# Altium PCB llrf_fmc_extension.PcbDoc (part 1 of 2) (continued)
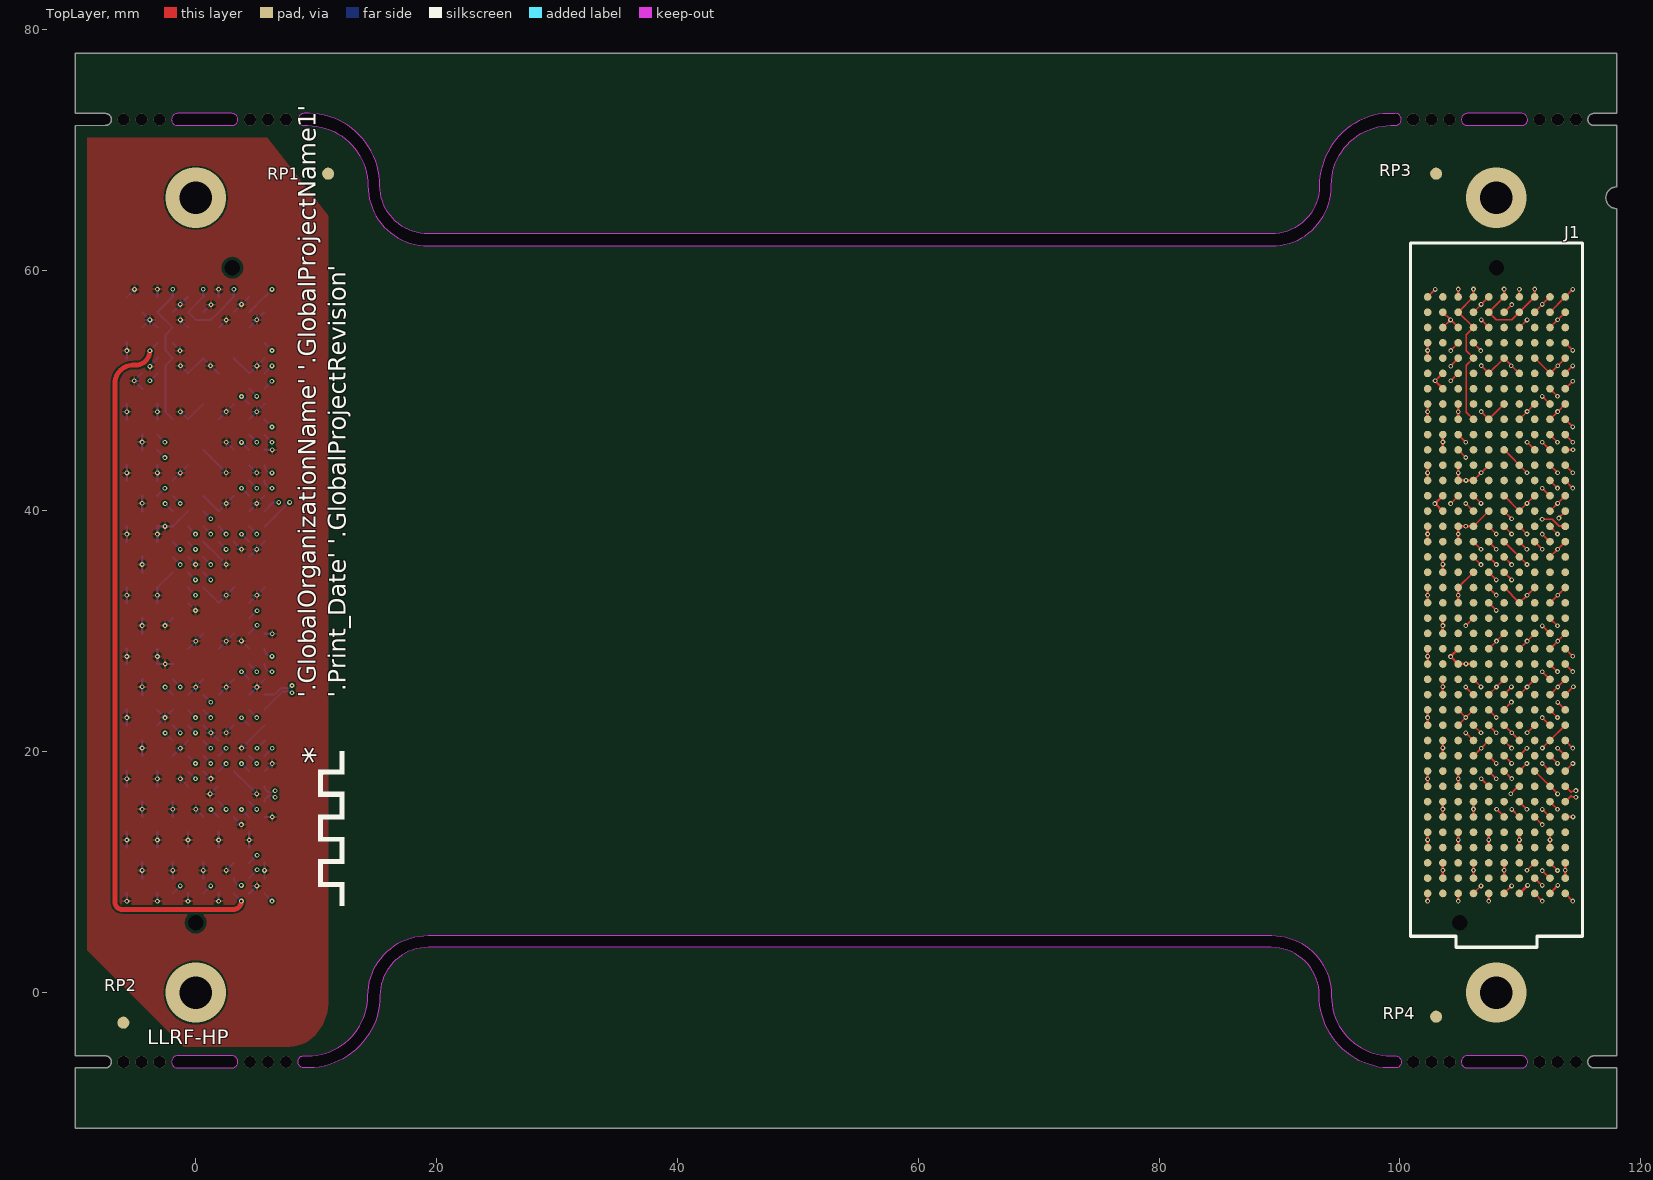
[diagram p0: TopLayer view]
## Design rules (kind name [scope] priority, off if disabled: settings) (continued)
RoomDefinition "LLRF-AFE side" [InComponentClass('LLRF-HP side')] p3: confinementstyle=ConfineIn formatcopy=TRUE lockcomponents=FALSE outline 99,0.675 99,64.811 117.1,64.811 117.1,0.675
RoutingCorners [All] p1: cornerstyle=45-Degree minsetback=0 maxsetback=2
RoutingVias RoutingVias_FPGA [WithinRoom('LLRF-AFE side') OR WithinRoom('LLRF-HP side')] p1: holewidth=0.2 width=0.4 viastyle="Through Hole" minholewidth=0.2 minwidth=0.4 maxholewidth=0.2 maxwidth=0.4
RoutingVias [All] p2: holewidth=0.2 width=0.4 viastyle="Through Hole" minholewidth=0.2 minwidth=0.4 maxholewidth=5 maxwidth=7
SilkToSolderMaskClearance SilkscreenOverComponentPads [IsPad] p1: minsilkscreentomaskgap=0.254 clearancetoexposedcopper=TRUE
SolderMaskExpansion FPGA_SolderMaskExpansion [WithinRoom('FPGA room') and IsVia] p1: expansion=0.05 istentingtop=TRUE
SolderMaskExpansion FMC_SolderMaskExpansion [WithinRoom('LLRF-AFE side') OR WithinRoom('LLRF-HP side') and IsVia] p2: expansion=0.05 istentingtop=TRUE
SolderMaskExpansion [All] p3: expansion=0.05 istentingtop=FALSE
UnRoutedNet [All] p1: checkbadconnections=TRUE
ViasUnderSMD [All] p1: allowed=FALSE
Width FPGA_width [WithinRoom('FPGA room')] p1: maxlimit=1 minlimit=0.1 preferedwidth=0.1 substack1={6C0819E7-4CCC-47EF-92F4-161ED3E39901} toplayer_{6c0819e7-4ccc-47ef-92f4-161ed3e39901}_minwidth=0.2 toplayer_{6c0819e7-4ccc-47ef-92f4-161ed3e39901}_prefwidth=0.2 midlayer2_{6c0819e7-4ccc-47ef-92f4-161ed3e39901}_minwidth=0.2 midlayer2_{6c0819e7-4ccc-47ef-92f4-161ed3e39901}_prefwidth=0.2 midlayer3_{6c0819e7-4ccc-47ef-92f4-161ed3e39901}_minwidth=0.2 midlayer3_{6c0819e7-4ccc-47ef-92f4-161ed3e39901}_prefwidth=0.2 bottomlayer_{6c0819e7-4ccc-47ef-92f4-161ed3e39901}_minwidth=0.2 bottomlayer_{6c0819e7-4ccc-47ef-92f4-161ed3e39901}_prefwidth=0.2 checkconnectedcopper=TRUE
Width [All] p2: maxlimit=2 minlimit=0.1 preferedwidth=0.2 substack1={6C0819E7-4CCC-47EF-92F4-161ED3E39901}
16 further rules are at their usual default settings.

## Classes and differential pairs
component class llrf_fm_extension_main: RP1 RP2 RP3 RP4 RP5 RP6 RP7 RP8
component class "LLRF-AFE side": J1
component class "LLRF-HP side": J2
net class FMC_RESERVE[0..15]: FMC_RESERVE0 FMC_RESERVE1 FMC_RESERVE2 FMC_RESERVE3 FMC_RESERVE4 FMC_RESERVE5 FMC_RESERVE6 FMC_RESERVE7 FMC_RESERVE8 FMC_RESERVE9 FMC_RESERVE10 FMC_RESERVE11 FMC_RESERVE12 FMC_RESERVE13 FMC_RESERVE14 FMC_RESERVE15
net class fmc_io_out[0..7]: fmc_io_out0 fmc_io_out1 fmc_io_out2 fmc_io_out3 fmc_io_out4 fmc_io_out5 fmc_io_out6 fmc_io_out7
net class fmc_io_in[0..7]: fmc_io_in0 fmc_io_in1 fmc_io_in2 fmc_io_in3 fmc_io_in4 fmc_io_in5 fmc_io_in6 fmc_io_in7
differential pair CLK_REFA: +CLK_REFA_P -CLK_REFA_N

## Components (designator, comment, footprint, x,y, rotation, side; value= is the part's Value field where it differs from the comment)
J1 "ASP-134486-01" ASP-134486-01 108.009,33 r270 top (schematic designator J2)
J2 "ASP-134488-01" ASP-134488-01 0,33 r270 bottom (schematic designator J1)
RP1 "RP" ReperPoint#1 10.3,68 r0 top
RP2 "RP" ReperPoint#2 -6.3,-2.1 r0 top
RP3 "RP" ReperPoint#3 103,68.2 r0 top
RP4 "RP" ReperPoint#4 103,-1.7 r0 top
RP5 "RP" ReperPoint#5 -6,-2.5 r180 bottom
RP6 "RP" ReperPoint#5 11,68 r180 bottom
RP7 "RP" ReperPoint#5 100.1,66 r180 bottom
RP8 "RP" ReperPoint#5 100.1,0 r180 bottom

## Footprints (in the part's own frame and the unit in brackets; to place one, negate y for a bottom-side part, rotate by r counter-clockwise, add the part's x,y. Pads: shape width x height; smd on the part's side, far side on the other; paste and mask are expansions set on the pad)
ASP-134486-01 [mil]
  round 25 smd paste+5 mask+2: A1(975,-225) A2(925,-225) A3(875,-225) A4(825,-225) A5(775,-225) A6(725,-225) A7(675,-225) A8(625,-225) A9(575,-225) A10(525,-225) A11(475,-225) A12(425,-225) A13(375,-225) A14(325,-225) A15(275,-225) A16(225,-225) A17(175,-225) A18(125,-225) A19(75,-225) A20(25,-225) A21(-25,-225) A22(-75,-225) A23(-125,-225) A24(-175,-225) A25(-225,-225) A26(-275,-225) A27(-325,-225) A28(-375,-225) A29(-425,-225) A30(-475,-225) A31(-525,-225) A32(-575,-225) A33(-625,-225) A34(-675,-225) A35(-725,-225) A36(-775,-225) A37(-825,-225) A38(-875,-225) A39(-925,-225) A40(-975,-225) B1(975,-175) B2(925,-175) B3(875,-175) B4(825,-175) B5(775,-175) B6(725,-175) B7(675,-175) B8(625,-175) B9(575,-175) B10(525,-175) B11(475,-175) B12(425,-175) B13(375,-175) B14(325,-175) B15(275,-175) B16(225,-175) B17(175,-175) B18(125,-175) B19(75,-175) B20(25,-175) B21(-25,-175) B22(-75,-175) B23(-125,-175) B24(-175,-175) B25(-225,-175) B26(-275,-175) B27(-325,-175) B28(-375,-175) B29(-425,-175) B30(-475,-175) B31(-525,-175) B32(-575,-175) B33(-625,-175) B34(-675,-175) B35(-725,-175) B36(-775,-175) B37(-825,-175) B38(-875,-175) B39(-925,-175) B40(-975,-175) C1(975,-125) C2(925,-125) C3(875,-125) C4(825,-125) C5(775,-125) C6(725,-125) C7(675,-125) C8(625,-125) C9(575,-125) C10(525,-125) C11(475,-125) C12(425,-125) C13(375,-125) C14(325,-125) C15(275,-125) C16(225,-125) C17(175,-125) C18(125,-125) C19(75,-125) C20(25,-125) C21(-25,-125) C22(-75,-125) C23(-125,-125) C24(-175,-125) C25(-225,-125) C26(-275,-125) C27(-325,-125) C28(-375,-125) C29(-425,-125) C30(-475,-125) C31(-525,-125) C32(-575,-125) C33(-625,-125) C34(-675,-125) C35(-725,-125) C36(-775,-125) C37(-825,-125) C38(-875,-125) C39(-925,-125) C40(-975,-125) D1(975,-75) D2(925,-75) D3(875,-75) D4(825,-75) D5(775,-75) D6(725,-75) D7(675,-75) D8(625,-75) D9(575,-75) D10(525,-75) D11(475,-75) D12(425,-75) D13(375,-75) D14(325,-75) D15(275,-75) D16(225,-75) D17(175,-75) D18(125,-75) D19(75,-75) D20(25,-75) D21(-25,-75) D22(-75,-75) D23(-125,-75) D24(-175,-75) D25(-225,-75) D26(-275,-75) D27(-325,-75) D28(-375,-75) D29(-425,-75) D30(-475,-75) D31(-525,-75) D32(-575,-75) D33(-625,-75) D34(-675,-75) D35(-725,-75) D36(-775,-75) D37(-825,-75) D38(-875,-75) D39(-925,-75) D40(-975,-75) E1(975,-25) E2(925,-25) E3(875,-25) E4(825,-25) E5(775,-25) E6(725,-25) E7(675,-25) E8(625,-25) E9(575,-25) E10(525,-25) E11(475,-25) E12(425,-25) E13(375,-25) E14(325,-25) E15(275,-25) E16(225,-25) E17(175,-25) E18(125,-25) E19(75,-25) E20(25,-25) E21(-25,-25) E22(-75,-25) E23(-125,-25) E24(-175,-25) E25(-225,-25) E26(-275,-25) E27(-325,-25) E28(-375,-25) E29(-425,-25) E30(-475,-25) E31(-525,-25) E32(-575,-25) E33(-625,-25) E34(-675,-25) E35(-725,-25) E36(-775,-25) E37(-825,-25) E38(-875,-25) E39(-925,-25) E40(-975,-25) F1(975,25) F2(925,25) F3(875,25) F4(825,25) F5(775,25) F6(725,25) F7(675,25) F8(625,25) F9(575,25) F10(525,25) F11(475,25) F12(425,25) F13(375,25) F14(325,25) F15(275,25) F16(225,25) F17(175,25) F18(125,25) F19(75,25) F20(25,25) F21(-25,25) F22(-75,25) F23(-125,25) F24(-175,25) F25(-225,25) F26(-275,25) F27(-325,25) F28(-375,25) F29(-425,25) F30(-475,25) F31(-525,25) F32(-575,25) F33(-625,25) F34(-675,25) F35(-725,25) F36(-775,25) F37(-825,25) F38(-875,25) F39(-925,25) F40(-975,25) G1(975,75) G2(925,75) G3(875,75) G4(825,75) G5(775,75) G6(725,75) G7(675,75) G8(625,75) G9(575,75) G10(525,75) G11(475,75) G12(425,75) G13(375,75) G14(325,75) G15(275,75) G16(225,75) G17(175,75) G18(125,75) G19(75,75) G20(25,75) G21(-25,75) G22(-75,75) G23(-125,75) G24(-175,75) G25(-225,75) G26(-275,75) G27(-325,75) G28(-375,75) G29(-425,75) G30(-475,75) G31(-525,75) G32(-575,75) G33(-625,75) G34(-675,75) G35(-725,75) G36(-775,75) G37(-825,75) G38(-875,75) G39(-925,75) G40(-975,75) H1(975,125) H2(925,125) H3(875,125) H4(825,125) H5(775,125) H6(725,125) H7(675,125) H8(625,125) H9(575,125) H10(525,125) H11(475,125) H12(425,125) H13(375,125) H14(325,125) H15(275,125) H16(225,125) H17(175,125) H18(125,125) H19(75,125) H20(25,125) H21(-25,125) H22(-75,125) H23(-125,125) H24(-175,125) H25(-225,125) H26(-275,125) H27(-325,125) H28(-375,125) H29(-425,125) H30(-475,125) H31(-525,125) H32(-575,125) H33(-625,125) H34(-675,125) H35(-725,125) H36(-775,125) H37(-825,125) H38(-875,125) H39(-925,125) H40(-975,125) J1(975,175) J2(925,175) J3(875,175) J4(825,175) J5(775,175) J6(725,175) J7(675,175) J8(625,175) J9(575,175) J10(525,175) J11(475,175) J12(425,175) J13(375,175) J14(325,175) J15(275,175) J16(225,175) J17(175,175) J18(125,175) J19(75,175) J20(25,175) J21(-25,175) J22(-75,175) J23(-125,175) J24(-175,175) J25(-225,175) J26(-275,175) J27(-325,175) J28(-375,175) J29(-425,175) J30(-475,175) J31(-525,175) J32(-575,175) J33(-625,175) J34(-675,175) J35(-725,175) J36(-775,175) J37(-825,175) J38(-875,175) J39(-925,175) J40(-975,175) K1(975,225) K2(925,225) K3(875,225) K4(825,225) K5(775,225) K6(725,225) K7(675,225) K8(625,225) K9(575,225) K10(525,225) K11(475,225) K12(425,225) K13(375,225) K14(325,225) K15(275,225) K16(225,225) K17(175,225) K18(125,225) K19(75,225) K20(25,225) K21(-25,225) K22(-75,225) K23(-125,225) K24(-175,225) K25(-225,225) K26(-275,225) K27(-325,225) K28(-375,225) K29(-425,225) K30(-475,225) K31(-525,225) K32(-575,225) K33(-625,225) K34(-675,225) K35(-725,225) K36(-775,225) K37(-825,225) K38(-875,225) K39(-925,225) K40(-975,225)
  round 0 hole 50 unplated: MH1(1070.5,-120) MH2(-1070.5,0)
  silkscreen extent -1151,-282 1151,282, body extent -1130,-260 1132,261, height 268
ASP-134488-01 [mil]
  round 0 hole 50 unplated: 401(1070.5,0) 402(-1070.5,-120)
  round 25 smd paste+5 mask+2: A1(975,225) A2(925,225) A3(875,225) A4(825,225) A5(775,225) A6(725,225) A7(675,225) A8(625,225) A9(575,225) A10(525,225) A11(475,225) A12(425,225) A13(375,225) A14(325,225) A15(275,225) A16(225,225) A17(175,225) A18(125,225) A19(75,225) A20(25,225) A21(-25,225) A22(-75,225) A23(-125,225) A24(-175,225) A25(-225,225) A26(-275,225) A27(-325,225) A28(-375,225) A29(-425,225) A30(-475,225) A31(-525,225) A32(-575,225) A33(-625,225) A34(-675,225) A35(-725,225) A36(-775,225) A37(-825,225) A38(-875,225) A39(-925,225) A40(-975,225) B1(975,175) B2(925,175) B3(875,175) B4(825,175) B5(775,175) B6(725,175) B7(675,175) B8(625,175) B9(575,175) B10(525,175) B11(475,175) B12(425,175) B13(375,175) B14(325,175) B15(275,175) B16(225,175) B17(175,175) B18(125,175) B19(75,175) B20(25,175) B21(-25,175) B22(-75,175) B23(-125,175) B24(-175,175) B25(-225,175) B26(-275,175) B27(-325,175) B28(-375,175) B29(-425,175) B30(-475,175) B31(-525,175) B32(-575,175) B33(-625,175) B34(-675,175) B35(-725,175) B36(-775,175) B37(-825,175) B38(-875,175) B39(-925,175) B40(-975,175) C1(975,125) C2(925,125) C3(875,125) C4(825,125) C5(775,125) C6(725,125) C7(675,125) C8(625,125) C9(575,125) C10(525,125) C11(475,125) C12(425,125) C13(375,125) C14(325,125) C15(275,125) C16(225,125) C17(175,125) C18(125,125) C19(75,125) C20(25,125) C21(-25,125) C22(-75,125) C23(-125,125) C24(-175,125) C25(-225,125) C26(-275,125) C27(-325,125) C28(-375,125) C29(-425,125) C30(-475,125) C31(-525,125) C32(-575,125) C33(-625,125) C34(-675,125) C35(-725,125) C36(-775,125) C37(-825,125) C38(-875,125) C39(-925,125) C40(-975,125) D1(975,75) D2(925,75) D3(875,75) D4(825,75) D5(775,75) D6(725,75) D7(675,75) D8(625,75) D9(575,75) D10(525,75) D11(475,75) D12(425,75) D13(375,75) D14(325,75) D15(275,75) D16(225,75) D17(175,75) D18(125,75) D19(75,75) D20(25,75) D21(-25,75) D22(-75,75) D23(-125,75) D24(-175,75) D25(-225,75) D26(-275,75) D27(-325,75) D28(-375,75) D29(-425,75) D30(-475,75) D31(-525,75) D32(-575,75) D33(-625,75) D34(-675,75) D35(-725,75) D36(-775,75) D37(-825,75) D38(-875,75) D39(-925,75) D40(-975,75) E1(975,25) E2(925,25) E3(875,25) E4(825,25) E5(775,25) E6(725,25) E7(675,25) E8(625,25) E9(575,25) E10(525,25) E11(475,25) E12(425,25) E13(375,25) E14(325,25) E15(275,25) E16(225,25) E17(175,25) E18(125,25) E19(75,25) E20(25,25) E21(-25,25) E22(-75,25) E23(-125,25) E24(-175,25) E25(-225,25) E26(-275,25) E27(-325,25) E28(-375,25) E29(-425,25) E30(-475,25) E31(-525,25) E32(-575,25) E33(-625,25) E34(-675,25) E35(-725,25) E36(-775,25) E37(-825,25) E38(-875,25) E39(-925,25) E40(-975,25) F1(975,-25) F2(925,-25) F3(875,-25) F4(825,-25) F5(775,-25) F6(725,-25) F7(675,-25) F8(625,-25) F9(575,-25) F10(525,-25) F11(475,-25) F12(425,-25) F13(375,-25) F14(325,-25) F15(275,-25) F16(225,-25) F17(175,-25) F18(125,-25) F19(75,-25) F20(25,-25) F21(-25,-25) F22(-75,-25) F23(-125,-25) F24(-175,-25) F25(-225,-25) F26(-275,-25) F27(-325,-25) F28(-375,-25) F29(-425,-25) F30(-475,-25) F31(-525,-25) F32(-575,-25) F33(-625,-25) F34(-675,-25) F35(-725,-25) F36(-775,-25) F37(-825,-25) F38(-875,-25) F39(-925,-25) F40(-975,-25) G1(975,-75) G2(925,-75) G3(875,-75) G4(825,-75) G5(775,-75) G6(725,-75) G7(675,-75) G8(625,-75) G9(575,-75) G10(525,-75) G11(475,-75) G12(425,-75) G13(375,-75) G14(325,-75) G15(275,-75) G16(225,-75) G17(175,-75) G18(125,-75) G19(75,-75) G20(25,-75) G21(-25,-75) G22(-75,-75) G23(-125,-75) G24(-175,-75) G25(-225,-75) G26(-275,-75) G27(-325,-75) G28(-375,-75) G29(-425,-75) G30(-475,-75) G31(-525,-75) G32(-575,-75) G33(-625,-75) G34(-675,-75) G35(-725,-75) G36(-775,-75) G37(-825,-75) G38(-875,-75) G39(-925,-75) G40(-975,-75) H1(975,-125) H2(925,-125) H3(875,-125) H4(825,-125) H5(775,-125) H6(725,-125) H7(675,-125) H8(625,-125) H9(575,-125) H10(525,-125) H11(475,-125) H12(425,-125) H13(375,-125) H14(325,-125) H15(275,-125) H16(225,-125) H17(175,-125) H18(125,-125) H19(75,-125) H20(25,-125) H21(-25,-125) H22(-75,-125) H23(-125,-125) H24(-175,-125) H25(-225,-125) H26(-275,-125) H27(-325,-125) H28(-375,-125) H29(-425,-125) H30(-475,-125) H31(-525,-125) H32(-575,-125) H33(-625,-125) H34(-675,-125) H35(-725,-125) H36(-775,-125) H37(-825,-125) H38(-875,-125) H39(-925,-125) H40(-975,-125) J1(975,-175) J2(925,-175) J3(875,-175) J4(825,-175) J5(775,-175) J6(725,-175) J7(675,-175) J8(625,-175) J9(575,-175) J10(525,-175) J11(475,-175) J12(425,-175) J13(375,-175) J14(325,-175) J15(275,-175) J16(225,-175) J17(175,-175) J18(125,-175) J19(75,-175) J20(25,-175) J21(-25,-175) J22(-75,-175) J23(-125,-175) J24(-175,-175) J25(-225,-175) J26(-275,-175) J27(-325,-175) J28(-375,-175) J29(-425,-175) J30(-475,-175) J31(-525,-175) J32(-575,-175) J33(-625,-175) J34(-675,-175) J35(-725,-175) J36(-775,-175) J37(-825,-175) J38(-875,-175) J39(-925,-175) J40(-975,-175) K1(975,-225) K2(925,-225) K3(875,-225) K4(825,-225) K5(775,-225) K6(725,-225) K7(675,-225) K8(625,-225) K9(575,-225) K10(525,-225) K11(475,-225) K12(425,-225) K13(375,-225) K14(325,-225) K15(275,-225) K16(225,-225) K17(175,-225) K18(125,-225) K19(75,-225) K20(25,-225) K21(-25,-225) K22(-75,-225) K23(-125,-225) K24(-175,-225) K25(-225,-225) K26(-275,-225) K27(-325,-225) K28(-375,-225) K29(-425,-225) K30(-475,-225) K31(-525,-225) K32(-575,-225) K33(-625,-225) K34(-675,-225) K35(-725,-225) K36(-775,-225) K37(-825,-225) K38(-875,-225) K39(-925,-225) K40(-975,-225)
  silkscreen extent -1118,-334 1153,334, body extent -1100,-289 1131,289, height 286
ReperPoint#1 [mm] "Reper"
  round 1 smd mask+1: 1(0.7,0)
ReperPoint#2 [mm] "Reper"
  round 1 smd mask+1: 1(0.3,-0.4)
ReperPoint#3 [mm] "Reper"
  round 1 smd mask+1: 1(0,-0.2)
ReperPoint#4 [mm] "Reper"
  round 1 smd mask+1: 1(0,-0.3)
ReperPoint#5 [mm] "Reper"
  round 1 smd mask+1: 1(0,0)

## Part data
J1: "FMC, HPC, Terminal Array Assembly, Surface Mount, 0.050\" Pitch, 400 Pins", MANUFACTURER=SAMTEC, Supplier Part Number 1=SAM8728CT-ND, ComponentLink1Description=DataSheet, ComponentLink1URL=https://suddendocs.samtec.com/prints/asp-134486-01-mkt.pdf, CREATED="March 24, 2015 - Wendy Xin", PCB DECAL=SEAM-40-XX.X-XX-10-X-A, Supplier 1=Digi-Key, Назначение="FMC HPC. Terminal Array Assembly, Surface Mount, 0.050\" Pitch, 400 Pins", Наименование=ASP-134486-01, Описание=ASP-134486-01, Потребление, Вт=0,0
J2: "Socket Array Assembly, Surface Mount, 0.050\" Pitch, 400 Pins", MANUFACTURER=SAMTEC, Supplier Part Number 1=SAM8730-ND, ComponentLink1Description=DataSheet, ComponentLink1URL=https://suddendocs.samtec.com/prints/asp-134488-01-mkt.pdf, CREATED="March 24, 2015 - Wendy Xin", PCB DECAL=SEAF-40-XX.X-XX-10-X-A, Supplier 1=Digi-Key, Назначение="FMC HPC socket Array Assembly, Surface Mount, 0.050\" Pitch, 400 Pins", Наименование=ASP-134488-01, Потребление, Вт=0,0
RP1 RP2 RP3 RP4 RP5 RP6 RP7 RP8: Назначение="реперная метка для автоматического монтажа", Наименование="Реперная метка"

## Via types
v1: diameter 0.4, hole 0.2, TopLayer to Bottom Layer, tented both sides, 348 vias
v2: diameter 1, hole 1, TopLayer to Bottom Layer, 24 vias
v3: diameter 5, hole 2.7, TopLayer to Bottom Layer, 4 vias

## Nets (pads, with @x,y where several pads share a name; then routed paths per layer and width w, separated by ;. In a path a pad name is that pad's centre, name@x,y a point inside that pad or via, vN(x,y) a via of type N, cw(c..) or ccw(c..) an arc to the next point about the centre after c; other vN are vias at no path point)
3V3_FMC: J1.C39 J1.D32 J1.D36 J1.D38 J1.D40 | length 12.8
  TopLayer w0.15: J1.D32@106.104,47.611 105.509,48.206 105.509,52.096 106.104,52.691 105.509,53.286 105.509,54.636 106.104,55.231 104.834,56.501 J1.D40@106.104,57.771
  TopLayer w0.2: J1.D40@106.104,57.771 v1(106.104,58.416)
3V3_FMC: J2.C39 J2.D32 J2.D36 J2.D38 J2.D40 | length 12.8
  Bottom Layer w0.15: J2.D32@-1.905,47.605 -2.5,48.2 -2.5,52.09 J2.D36@-1.905,52.685 -2.5,53.28 -2.5,54.63 J2.D38@-1.905,55.225 J2.C39@-3.175,56.495 J2.D40@-1.905,57.765
  Bottom Layer w0.2: J2.D40@-1.905,57.765 v1(-1.905,58.409)
12V_FMC: J1.C35 J1.C37 J1.H1 J1.K1 J2.C35 J2.C37 J2.H1 J2.K1 | length 968.1
  TopLayer w0.15: v1(104.209,50.806) 104.214,50.806 104.82,51.412 J1.C35@104.828,51.412 ; v1(104.209,53.306) 104.209,53.321 104.828,53.94 J1.C37@104.828,53.952 ; J1.H1@111.178,8.232 v1(111.808,7.602) ; J1.K1@113.718,8.232 v1(114.348,7.602)
  TopLayer w0.4: v1(-3.8,53.3) cw(c-5,53.3) -5,52.1 -5.2,52.1 ccw(c-5.2,50.6) -6.7,50.6 -6.7,7.5 ccw(c-6.1,7.5) -6.1,6.9 3.103,6.9 ccw(c3.103,7.596) v1(3.799,7.596)
  FlexLayer1 w0.4: v1(-3.8,50.8) -1.3,50.8 1.9,54 4.3,54 6.8,56.5 11.5,56.5 100.7,56.5 103.4,53.8 103.4,52.497 ; v1(-3.8,53.3) -2.6,53.3 -0.7,55.2 3.3,55.2 5.6,57.5 11.5,57.5 101.114,57.5 104.2,54.414 104.2,53.315 v1(104.209,53.306) ; v1(3.799,7.596) v1(6.339,7.596) ; v1(6.339,7.596) 7.243,8.5 99.2,8.5 99.5,8.2 111.21,8.2 ; v1(6.339,7.596) 98.804,7.596 99.4,7 111.205,7 v1(111.808,7.602) ; 103.4,52.497 103.4,51.615 v1(104.209,50.806) 105,51.597 105,52.515 v1(104.209,53.306) ; 103.4,52.497 v1(104.209,53.306) ; 111.21,8.2 113.75,8.2 v1(114.348,7.602) v1(111.808,7.602) ; 111.21,8.2 v1(111.808,7.602)
  FlexLayer2 w0.4: v1(-3.8,50.8) -1.3,50.8 1.9,54 4.3,54 6.8,56.5 11.5,56.5 100.7,56.5 103.4,53.8 103.4,52.497 ; v1(-3.8,53.3) -2.6,53.3 -0.7,55.2 3.3,55.2 5.6,57.5 11.5,57.5 101.114,57.5 104.2,54.414 104.2,53.315 v1(104.209,53.306) ; v1(111.808,7.602) 108.598,7.602 108,8.2 99.4,8.2 99.1,8.5 7.243,8.5 6.989,8.246 ; v1(114.348,7.602) 113.745,7 99.4,7 98.804,7.596 v1(6.339,7.596) ; v1(6.339,7.596) 6.989,8.246 ; v1(6.339,7.596) v1(3.799,7.596) 4.449,8.246 6.989,8.246 ; 103.4,52.497 v1(104.209,53.306) ; 103.4,52.497 103.4,51.615 v1(104.209,50.806) 105,51.597 105,52.515 v1(104.209,53.306)
  Bottom Layer w0.15: v1(-3.8,50.8) -3.795,50.8 -3.189,51.406 J2.C35@-3.181,51.406 ; v1(-3.8,53.3) -3.8,53.315 -3.181,53.934 J2.C37@-3.181,53.946 ; J2.H1@3.169,8.226 v1(3.799,7.596) ; J2.K1@5.709,8.226 v1(6.339,7.596)
CLK_REFA_N: J1.K8 J2.K8 | length 110.9
  TopLayer w0.15: J1.K8@113.724,17.131 113.727,17.128 114.209,16.646 114.286,16.723 114.561,16.723 v1(114.609,16.771) v1@114.676,16.771
  FlexLayer1 w0.15: v1(6.6,16.765) 6.668,16.765 6.793,16.64 8.94,16.64 9.6,17.3 113.4,17.3 114.054,16.646 114.416,16.646 114.541,16.771 v1(114.609,16.771)
  Bottom Layer w0.15: J2.K8@5.715,17.125 ccw(c6.2,17.125) 6.2,16.64 v1@6.475,16.64
CLK_REFA_P: J1.K7 J2.K7 | length 110.9
  TopLayer w0.15: J1.K7@113.724,15.861 114.209,16.346 114.286,16.269 114.561,16.269 v1(114.609,16.221) v1@114.676,16.221
  FlexLayer1 w0.15: v1(6.6,16.215) 6.668,16.215 6.793,16.34 9.064,16.34 9.724,17 10.5,17 113,17 113.276,17 113.93,16.346 114.416,16.346 114.541,16.221 v1(114.609,16.221)
  Bottom Layer w0.15: J2.K7@5.715,15.855 cw(c6.2,15.855) 6.2,16.34 v1@6.475,16.34
CONF_DONE: J1.K32 J2.K32 | length 110.5
  TopLayer w0.15: J1.K32@113.718,47.602 v1(114.348,46.972)
  FlexLayer2 w0.15: v1(6.339,46.966) 7.166,46.966 8,47.8 112.524,47.8 113.352,46.972 v1(114.348,46.972)
  Bottom Layer w0.15: J2.K32@5.709,47.596 v1(6.339,46.966)
CRC_ERROR: J1.K37 J2.K37 | length 113.5
  TopLayer w0.15: J1.K37@113.718,53.952 v1(114.348,53.322)
  FlexLayer2 w0.15: v1(6.339,53.316) 6.345,53.322 11.5,53.322 96.5,53.322 97.978,53.322 101.2,50.1 112.9,50.1 113.411,50.611 113.411,50.866 113.923,51.377 113.923,52.218 114.348,52.643 v1(114.348,53.322)
  Bottom Layer w0.15: J2.K37@5.709,53.946 v1(6.339,53.316)
FLASH_AS_DATA_0: J1.G10 J2.G10 | length 110.2
  TopLayer w0.15: J1.G10@109.908,19.662 v1(110.538,20.292)
  FlexLayer2 w0.15: v1(2.529,20.286) 3.233,20.286 3.719,19.8 110.045,19.8 v1(110.538,20.292)
  Bottom Layer w0.15: J2.G10@1.899,19.656 v1(2.529,20.286)
FLASH_ASDO: J1.G6 J2.G6 | length 111.2
  TopLayer w0.15: v1(109.278,15.212) J1.G6@109.908,14.582
  FlexLayer2 w0.15: v1(1.269,15.206) 1.975,14.5 5.674,14.5 6.274,15.1 7.3,15.1 8.4,16.2 108.29,16.2 v1(109.278,15.212)
  Bottom Layer w0.15: v1(1.269,15.206) J2.G6@1.899,14.576
FLASH_DCLK: J1.G9 J2.G9 | length 111.3
  TopLayer w0.15: J1.G9@109.908,18.392 v1(110.538,19.022)
  FlexLayer2 w0.15: v1(2.529,19.016) 2.577,18.968 2.732,18.968 3.9,17.8 10.4,17.8 11.5,18.9 96.5,18.9 107.1,18.9 107.7,18.3 109.815,18.3 v1(110.538,19.022)
  Bottom Layer w0.15: J2.G9@1.899,18.386 v1(2.529,19.016)
FLASH_NCSO: J1.G7 J2.G7 | length 110.9
  TopLayer w0.15: J1.G7@109.908,15.852 v1(110.538,15.222)
  FlexLayer2 w0.15: v1(2.529,15.216) 3.218,15.216 3.792,15.79 7.49,15.79 8.2,16.5 108.6,16.5 109.878,15.222 v1(110.538,15.222)
  Bottom Layer w0.15: J2.G7@1.899,15.846 v1(2.529,15.216)
FMC_CLKDIR: J1.B1
FMC_CLKDIR: J2.B1
FMC_I2C.ALERT: J1.C27 J2.C27 | length 112.5
  TopLayer w0.15: v1(104.2,40.6) 104.2,40.611 104.828,41.238 J1.C27@104.828,41.255
  FlexLayer1 w0.15: v1(-2.551,41.876) -3.2,41.227 -3.2,40.3 -2.8,39.9 2.6,39.9 3.242,39.258 100.358,39.258 102.2,41.1 103.701,41.1 v1(104.2,40.6)
  Bottom Layer w0.15: J2.C27@-3.181,41.246 v1(-2.551,41.876)
FMC_I2C.SCL: J1.C30 J2.C30 | length 111.4
  TopLayer w0.15: J1.C30@104.828,45.062 v1(105.458,44.432)
  FlexLayer2 w0.15: v1(-2.551,44.426) -2.503,44.378 -2.377,44.378 -2.338,44.34 7.54,44.34 9.4,46.2 103.876,46.2 104.4,45.676 104.4,45.476 105.443,44.432 v1(105.458,44.432)
  Bottom Layer w0.15: J2.C30@-3.181,45.056 v1(-2.551,44.426)
FMC_I2C.SDA: J1.C31 J2.C31 | length 111.7
  TopLayer w0.15: J1.C31@104.828,46.332 v1(105.458,45.702)
  FlexLayer2 w0.15: v1(-2.551,45.696) -2.551,45.151 -2.04,44.64 7.416,44.64 9.276,46.5 104,46.5 104.7,45.8 104.7,45.79 104.788,45.702 v1(105.458,45.702)
  Bottom Layer w0.15: J2.C31@-3.181,46.326 v1(-2.551,45.696)
fmc_io_in0: J1.F25 J2.F25 | length 111.6
  TopLayer w0.15: J1.F25@108.638,38.712 v1(109.268,38.082)
  FlexLayer2 w0.15: v1(1.259,38.076) 1.735,37.6 5.194,37.6 5.614,38.02 5.614,38.376 6.254,39.017 9.017,39.017 9.275,39.275 104.749,39.275 104.92,39.446 108.054,39.446 108.71,38.79 108.71,38.64 v1(109.268,38.082)
  Bottom Layer w0.15: J2.F25@0.629,38.706 v1(1.259,38.076)
fmc_io_in1: J1.F26 J2.F26 | length 111.1
  TopLayer w0.15: J1.F26@108.638,39.982 v1(109.268,39.352)
  FlexLayer2 w0.15: v1(1.259,39.346) 1.318,39.346 1.472,39.5 2.3,39.5 3.125,39.5 3.313,39.313 3.313,38.964 3.5,38.776 3.875,38.776 4.063,38.964 4.063,39.313 4.25,39.5 4.8,39.5 5.649,39.5 5.724,39.575 104.625,39.575 104.796,39.746 108.178,39.746 108.572,39.352 v1(109.268,39.352)
  Bottom Layer w0.15: J2.F26@0.629,39.976 v1(1.259,39.346)
fmc_io_in2: J1.F23 J2.F23 | length 111.1
  TopLayer w0.15: J1.F23@108.638,36.172 v1(109.268,35.542)
  FlexLayer2 w0.15: v1(1.259,35.536) 1.975,34.82 7.3,34.82 7.375,34.82 7.6,35.045 7.6,35.222 7.825,35.447 8.125,35.447 8.35,35.222 8.35,35.045 8.575,34.82 9,34.82 107.52,34.82 107.697,34.997 108.723,34.997 v1(109.268,35.542)
  Bottom Layer w0.15: J2.F23@0.629,36.166 v1(1.259,35.536)
fmc_io_in3: J1.E25 J2.E25 | length 111.5
  TopLayer w0.15: J1.E25@107.368,38.712 v1(107.998,38.082)
  FlexLayer2 w0.15: v1(-0.011,38.076) 0.765,37.3 5.318,37.3 5.914,37.896 5.914,38.252 6.362,38.7 6.718,38.7 9.2,38.7 9.475,38.975 104.873,38.975 105.044,39.146 106.934,39.146 v1(107.998,38.082)
  Bottom Layer w0.15: J2.E25@-0.641,38.706 v1(-0.011,38.076)
fmc_io_in4: J1.F22 J2.F22 | length 110.7
  TopLayer w0.15: J1.F22@108.638,34.902 v1(109.268,34.272)
  FlexLayer2 w0.15: v1(1.259,34.266) 1.966,34.266 2.22,34.52 107.644,34.52 107.822,34.697 108.174,34.697 108.423,34.448 109.035,33.836 109.159,33.836 109.247,33.924 109.247,34.252 v1(109.268,34.272)
  Bottom Layer w0.15: J2.F22@0.629,34.896 v1(1.259,34.266)
fmc_io_in5: J1.E24 J2.E24 | length 110.7
  TopLayer w0.15: J1.E24@107.368,37.442 v1(107.998,36.812)
  FlexLayer2 w0.15: v1(-0.011,36.806) 1.438,36.806 1.863,36.381 3.214,36.381 3.515,36.08 5.375,36.08 6.295,37 106.314,37 106.552,37.237 106.904,37.237 107.329,36.812 v1(107.998,36.812)
  Bottom Layer w0.15: J2.E24@-0.641,37.436 v1(-0.011,36.806)
fmc_io_in6: J1.E21 J2.E21 | length 111.1
  TopLayer w0.15: J1.E21@107.368,33.632 v1(107.998,33.002)
  FlexLayer2 w0.15: v1(-0.011,32.996) 0.293,33.3 2,33.3 2.62,33.92 102.3,33.92 103.125,33.92 103.35,33.695 103.35,33.556 103.575,33.331 103.875,33.331 104.1,33.556 104.1,33.632 104.325,33.857 104.643,33.857 104.834,33.666 105.498,33.002 v1(107.998,33.002)
  Bottom Layer w0.15: J2.E21@-0.641,33.626 v1(-0.011,32.996)
fmc_io_in7: J1.E22 J2.E22 | length 111.1
  TopLayer w0.15: J1.E22@107.368,34.902 v1(107.998,34.272)
  FlexLayer2 w0.15: v1(-0.011,34.266) 0.555,33.7 1.9,33.7 2.42,34.22 105.5,34.22 106.325,34.22 106.513,34.032 106.513,33.754 106.7,33.566 107.075,33.566 107.263,33.754 107.263,34.032 107.45,34.22 107.769,34.22 107.773,34.224 107.9,34.224 107.95,34.224 v1(107.998,34.272)
  Bottom Layer w0.15: J2.E22@-0.641,34.896 v1(-0.011,34.266)
fmc_io_out0: J1.F13 J2.F13 | length 110.8
  TopLayer w0.15: J1.F13@108.638,23.472 108.638,23.482 109.254,24.098 v1(109.254,24.12)
  FlexLayer2 w0.15: v1(1.259,22.836) 1.723,23.3 1.798,23.3 2.023,23.525 2.023,23.581 2.248,23.806 2.548,23.806 2.773,23.581 2.773,23.525 2.998,23.3 3.3,23.3 101.524,23.3 102.224,24 108.024,24 108.144,24.12 v1(109.254,24.12)
  Bottom Layer w0.15: J2.F13@0.629,23.466 v1(1.259,22.836)
fmc_io_out1: J1.F14 J2.F14 | length 110.7
  TopLayer w0.15: J1.F14@108.66,24.742 108.66,24.774 109.247,25.361 v1(109.247,25.383)
  FlexLayer2 w0.15: v1(1.259,24.106) 3.144,24.106 3.65,23.6 101.4,23.6 102.1,24.3 107.9,24.3 108.965,25.365 109.229,25.365 v1(109.247,25.383)
  Bottom Layer w0.15: J2.F14@0.629,24.736 v1(1.259,24.106)
fmc_io_out2: J1.E12 J2.E12 | length 110.9
  TopLayer w0.15: J1.E12@107.368,22.202 v1(107.998,21.572)
  FlexLayer2 w0.15: v1(-0.011,21.566) 0.705,20.85 2.067,20.85 2.254,21.036 102.836,21.036 103.2,21.4 104.605,21.4 105.179,20.826 105.902,20.826 106.188,21.112 107.538,21.112 v1(107.998,21.572)
  Bottom Layer w0.15: J2.E12@-0.641,22.196 v1(-0.011,21.566)
fmc_io_out3: J1.E13 J2.E13 | length 111.5
  TopLayer w0.15: J1.E13@107.368,23.472 v1(107.998,22.842)
  FlexLayer2 w0.15: v1(-0.011,22.836) 0.658,22.836 1.083,22.411 1.435,22.411 1.624,22.6 3.434,22.6 3.633,22.401 6.601,22.401 7.2,23 101.649,23 102.349,23.7 107.9,23.7 108,23.6 108,22.845 v1(107.998,22.842)
  Bottom Layer w0.15: J2.E13@-0.641,23.466 v1(-0.011,22.836)
fmc_io_out4: J1.F10 J2.F10 | length 111.4
  TopLayer w0.15: J1.F10@108.638,19.662 v1(109.268,19.032)
  FlexLayer2 w0.15: v1(1.259,19.026) 1.674,19.441 2.705,19.441 4.046,18.1 10.2,18.1 11.3,19.2 107.224,19.2 107.824,18.6 108.835,18.6 v1(109.268,19.032)
  Bottom Layer w0.15: J2.F10@0.629,19.656 v1(1.259,19.026)
fmc_io_out5: J1.F11 J2.F11 | length 110.7
  TopLayer w0.15: J1.F11@108.638,20.932 v1(109.268,20.302)
  FlexLayer2 w0.15: v1(1.259,20.296) 1.938,20.296 2.378,20.736 11.5,20.736 96.5,20.736 102.96,20.736 103.324,21.1 104.48,21.1 105.055,20.526 106.026,20.526 106.309,20.809 108.76,20.809 v1(109.268,20.302)
  Bottom Layer w0.15: J2.F11@0.629,20.926 v1(1.259,20.296)
fmc_io_out6: J1.E9 J2.E9 | length 110.8
  TopLayer w0.15: J1.E9@107.368,18.392 v1(107.998,17.762)
  FlexLayer2 w0.15: v1(-0.011,17.756) 0.445,17.3 8.3,17.3 8.8,16.8 107.4,16.8 107.95,17.35 107.95,17.714 v1(107.998,17.762)
  Bottom Layer w0.15: J2.E9@-0.641,18.386 v1(-0.011,17.756)
fmc_io_out7: J1.E10 J2.E10 | length 111
  TopLayer w0.15: J1.E10@107.368,19.662 v1(107.998,19.032)
  FlexLayer2 w0.15: v1(-0.011,19.026) 0.704,19.741 3.353,19.741 3.595,19.5 7.2,19.5 8.025,19.5 8.25,19.275 8.25,19.168 8.475,18.943 8.775,18.943 9,19.168 9,19.275 9.225,19.5 10.2,19.5 107.53,19.5 v1(107.998,19.032)
  Bottom Layer w0.15: J2.E10@-0.641,19.656 v1(-0.011,19.026)
FMC_PRSNT: J1.H2 J2.H2 | length 116.9
  TopLayer w0.15: J1.H2@111.184,9.511 v1@111.824,8.871
  FlexLayer2 w0.15: v1(3.8,8.9) 3.2,9.5 3.2,11.2 4,12 6.5,12 8.7,14.2 99.3,14.2 102.5,11 106.4,11 108.975,8.425 111.328,8.425 v1(111.809,8.906)
  Bottom Layer w0.15: J2.H2@3.175,9.505 ccw(c3.78,9.505) 3.78,8.9 v1(3.8,8.9)
FMC_RESERVE0: J1.K14 J2.K14 | length 111.5
  TopLayer w0.15: J1.K14@113.724,24.745 113.734,24.745 114.389,25.4 v1(114.4,25.4)
  FlexLayer2 w0.15: v1(8,25.5) 9.9,25.5 11.292,26.892 103.033,26.892 103.524,26.4 111.024,26.4 112.474,24.95 113.95,24.95 v1(114.4,25.4)
  Bottom Layer w0.15: J2.K14@5.715,24.745 6.545,24.745 7.1,25.3 7.787,25.3 7.987,25.5 v1(8,25.5)
FMC_RESERVE1: J1.K13 J2.K13 | length 110.7
  TopLayer w0.15: v1(113.1,24.1) J1.K13@113.724,23.475
  FlexLayer2 w0.15: v1(8,24.9) 9.8,24.9 11.492,26.592 102.908,26.592 103.4,26.1 110.9,26.1 112.35,24.65 112.55,24.65 v1(113.1,24.1)
  Bottom Layer w0.15: J2.K13@5.715,23.475 7.24,25 7.832,25 7.932,24.9 v1(8,24.9)
FMC_RESERVE2: J1.K17 J2.K17 | length 111.3
  TopLayer w0.15: J1.K17@113.718,28.552 v1(114.348,27.922) v1@114.36,27.934
  FlexLayer2 w0.15: v1(6.339,27.916) 6.74,27.515 7.328,27.515 7.403,27.515 7.628,27.74 7.628,27.786 7.853,28.011 8.153,28.011 8.378,27.786 8.378,27.741 8.603,27.516 9.4,27.516 102.094,27.516 102.118,27.492 104.007,27.492 104.024,27.475 104.376,27.475 104.393,27.492 105.078,27.492 105.302,27.716 105.684,27.716 106,27.4 114.26,27.4 114.348,27.488 v1(114.348,27.922)
  Bottom Layer w0.15: J2.K17@5.715,28.555 5.715,28.54 ccw(c6.339,28.54) v1(6.339,27.916)